# Altium PCB 2-quilter-output.PcbDoc (part 1 of 26) (continued)
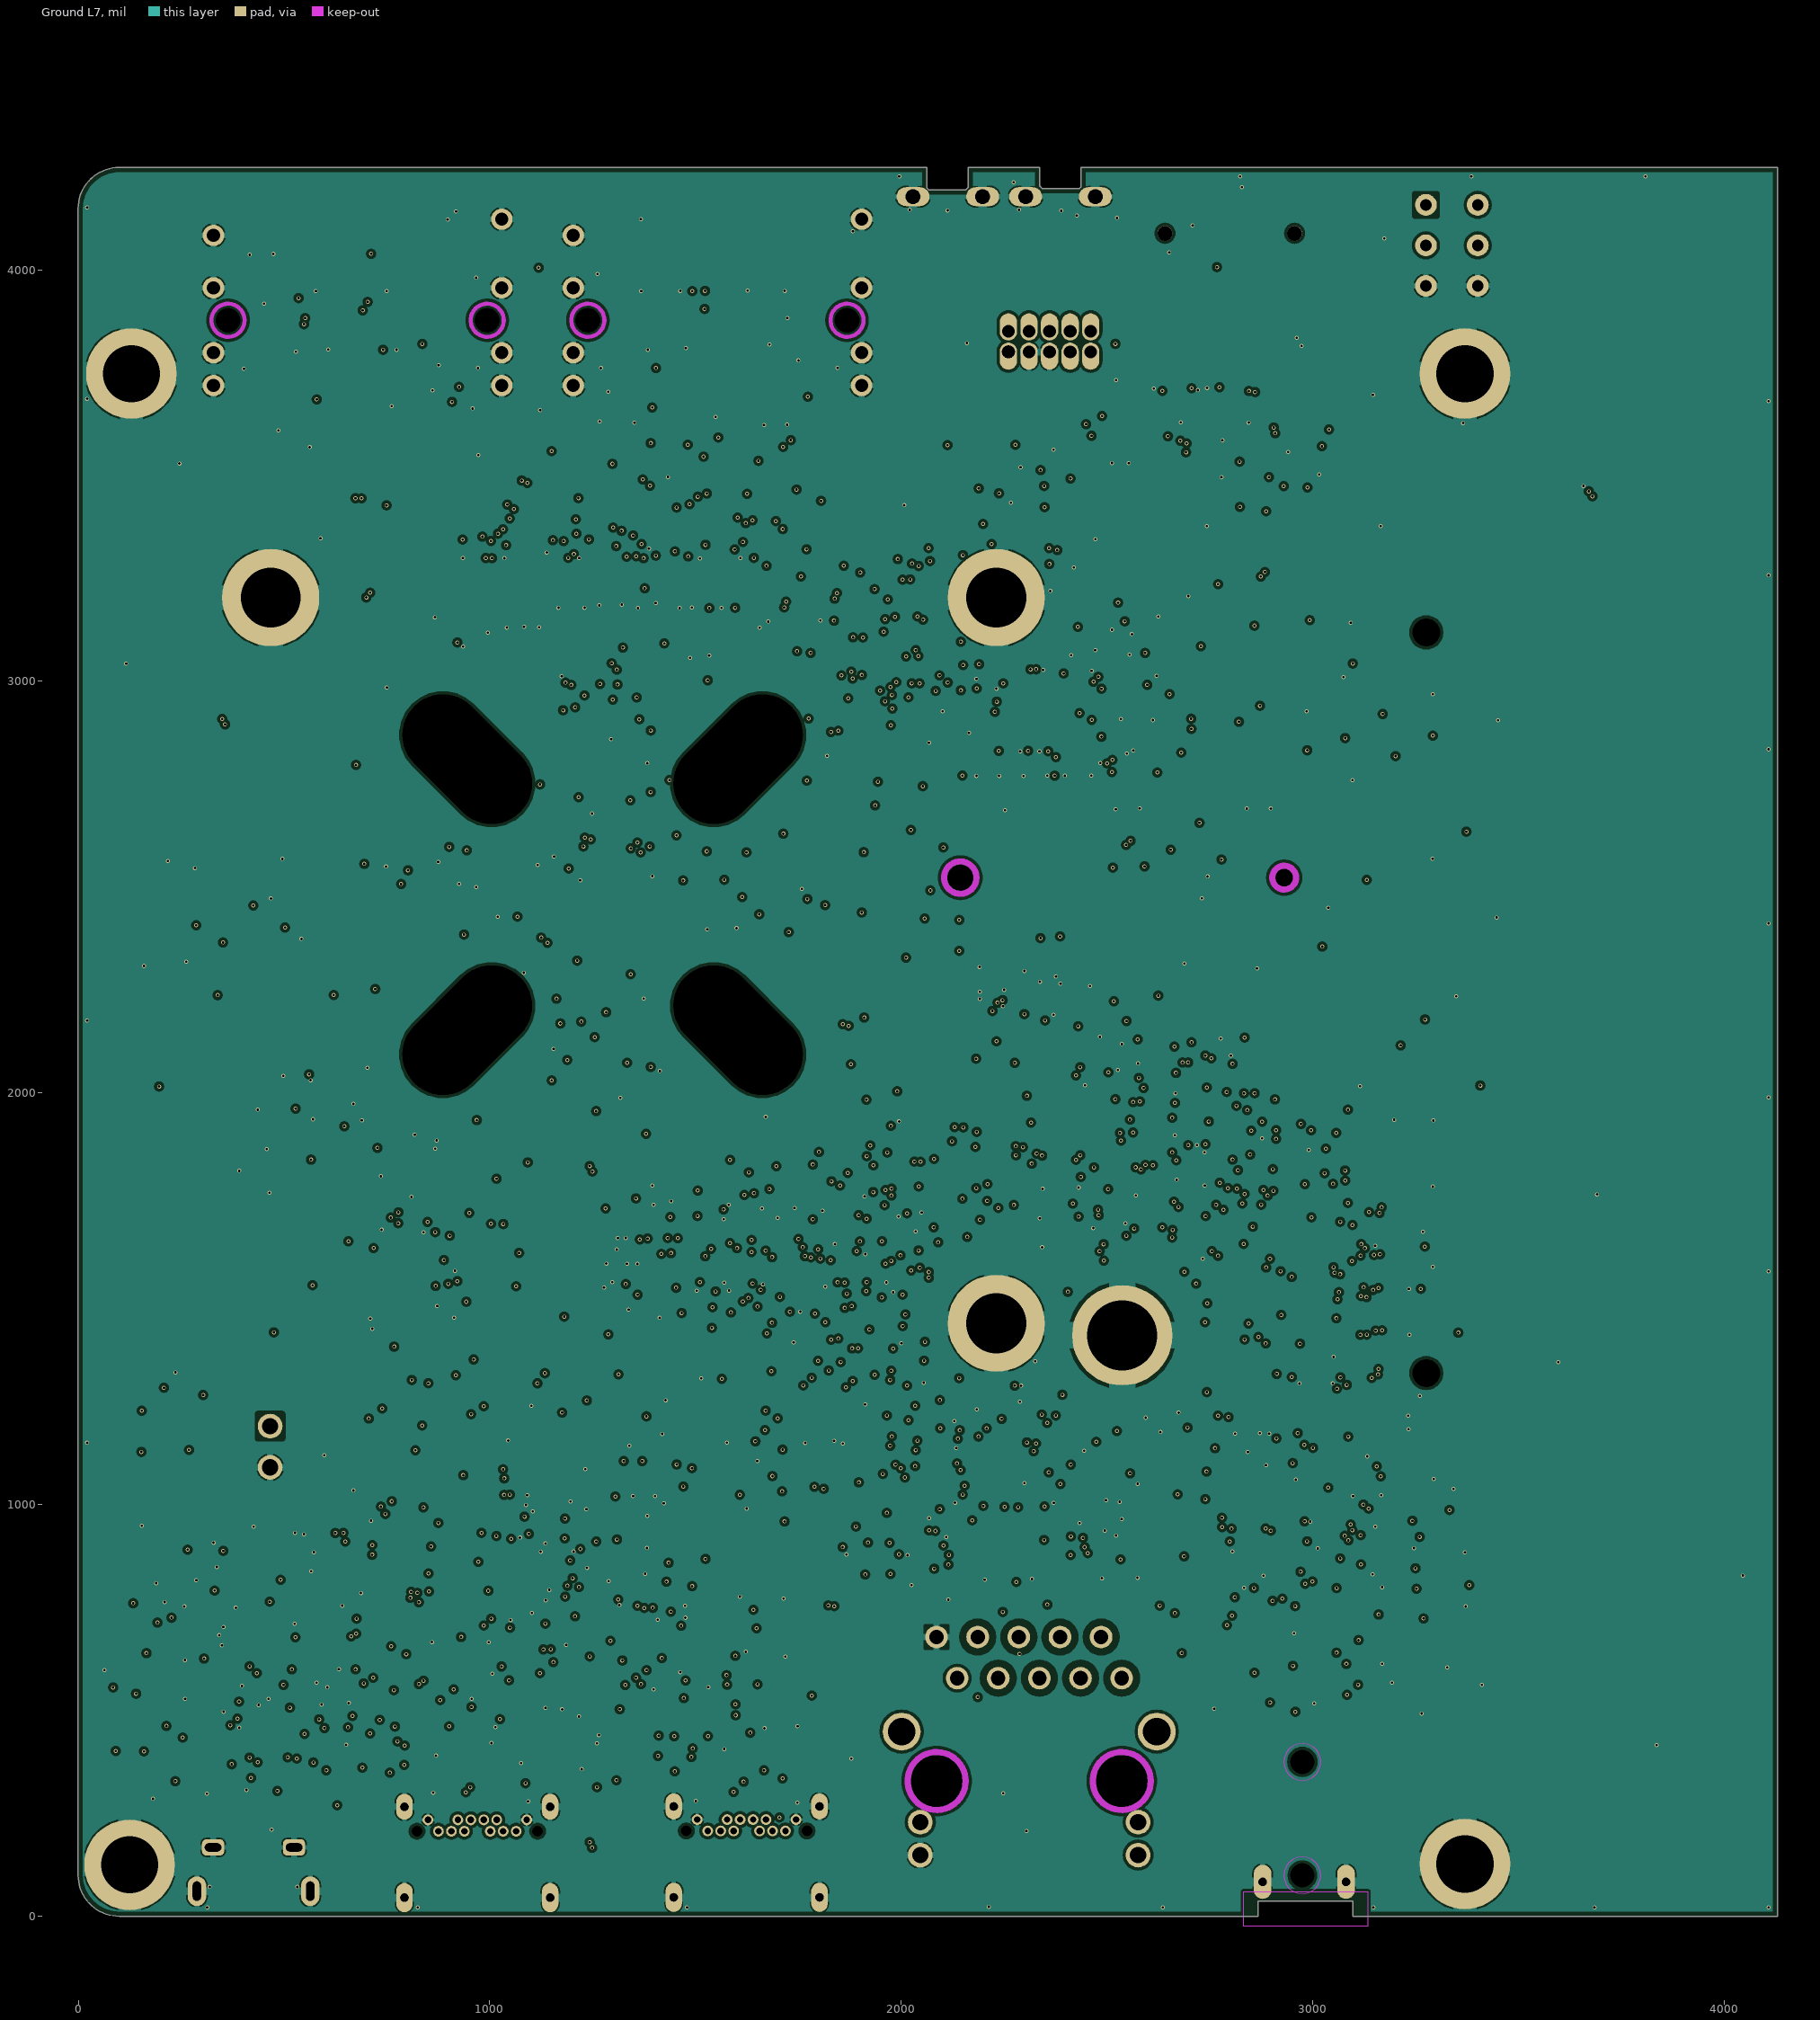
[diagram p7: Ground L7]

## Layer stack, top to bottom
Top Solder: solder mask 1, SM-001, Dk 3.8
L1: signal copper 1.378
Prepreg 1: core 4.58, FR4, Dk 4.16
Ground L2: signal copper 0.6
Core 1: core 11.811, FR4, Dk 4.1
L3: signal copper 0.6
Prepreg 2: core 3.01, NP-140F, Dk 4.4
Prepreg 3: core 3.01, NP-140F, Dk 4.4
Power L4: signal copper 0.598
Core 2: core 11.811, FR4-Generic, Dk 4.6
Ground L5: signal copper 0.598
Prepreg 4: core 3.01, NP-140F, Dk 4.4
Prepreg 5: core 3.01, NP-140F, Dk 4.4
L6: signal copper 0.6
Core 3: core 11.811, FR4, Dk 4.1
Ground L7: signal copper 0.6
Prepreg 6: core 4.58, FR4, Dk 4.16
L8: signal copper 1.378
Board Layer Stack Bottom Solder: solder mask 1, SM-001, Dk 3.8

## Board outline
-0.37,98.79 -0.37,4148.79 cw(c99.63,4148.79) 99.63,4248.79 2062.63,4248.79 2062.63,4198.79 2065.63,4195.79 2067.63,4193.79 2156.63,4193.79 2163.63,4200.79 2163.63,4248.79 2336.63,4248.79 2336.63,4203.79 2342.63,4197.79 2433.63,4197.79 2437.63,4201.79 2437.63,4248.79 4130.18,4248.79 4130.18,-1.21 3097.78,-1.21 3097.78,35.94 2910.29,35.94 2910.09,36.13 2909.9,35.94 2867.21,35.94 2867.21,-1.21 99.63,-1.21 cw(c99.63,98.79)

## Design rules (kind name [scope] priority, off if disabled: settings)
BoardOutlineClearance [All] p1: gap=11.81 ignorepadtopadclearanceinfootprint=FALSE
Clearance [All] p1: gap=3.5 ignorepadtopadclearanceinfootprint=FALSE except(3: Arc-Arc Arc-Track Arc-SMDPad Arc-Text Track-Track Track-SMDPad Track-Text SMDPad-SMDPad SMDPad-Text Via-Via Via-Text Fill-Text Poly-Text Region-Text Text-Text Text-Hole; 10: THPad-THPad THPad-Via THPad-Fill THPad-Poly THPad-Region THPad-Text)
ComponentClearance [All] p1: gap=3.5 collisioncheckmode=3 verticalgap=10 showdistances=FALSE
DiffPairsRouting [All] p1: maxlimit=10 minlimit=10 mostfreqgap=10 toplayer_minwidth=15 toplayer_maxwidth=15 toplayer_prefwidth=15 midlayer1_minwidth=15 midlayer1_maxwidth=15 midlayer1_prefwidth=15 midlayer2_minwidth=15 midlayer2_maxwidth=15 midlayer2_prefwidth=15 midlayer3_minwidth=15 midlayer3_maxwidth=15 midlayer3_prefwidth=15 midlayer4_minwidth=15 midlayer4_maxwidth=15 midlayer4_prefwidth=15 midlayer5_minwidth=15 midlayer5_maxwidth=15 midlayer5_prefwidth=15 midlayer6_minwidth=15 midlayer6_maxwidth=15 midlayer6_prefwidth=15 bottomlayer_minwidth=15 bottomlayer_maxwidth=15 bottomlayer_prefwidth=15 maxuncoupledlength=500
HoleSize [All] p1: absolutevalues=TRUE maxlimit=100 minlimit=5.91 maxpercent=80.000 minpercent=20.000
MinimumAnnularRing [All] p1: minimumring=1.97
PlaneConnect [All] p1: pad.planeconnectstyle=Relief pad.reliefexpansion=20 pad.reliefentries=4 pad.reliefconductorwidth=10 pad.reliefairgap=10 via.planeconnectstyle=Direct via.reliefexpansion=20 via.reliefentries=4 via.reliefconductorwidth=10 via.reliefairgap=10
PolygonConnect [All] p1: thpad.connectstyle=Relief thpad.reliefconductorwidth=3.5 thpad.reliefentries=4 thpad.polygonreliefangle="45 Angle" thpad.airgapwidth=3.5 thpad.conductorbypadedge=TRUE thpad.mindistance=15 thpad.enablemindistance=TRUE smdpad.connectstyle=Direct smdpad.reliefconductorwidth=3.5 smdpad.reliefentries=4 smdpad.polygonreliefangle="90 Angle" smdpad.airgapwidth=3.5 via.connectstyle=Direct via.reliefconductorwidth=3.5 via.reliefentries=4 via.polygonreliefangle="90 Angle" via.airgapwidth=3.5
RoomDefinition "C-08 USB TYPE-C DRP" [InComponentClass('C-08 USB TYPE-C DRP')] p1: confinementstyle=ConfineIn formatcopy=TRUE lockcomponents=FALSE outline 580,207.36 580,353.53 698.84,353.53 698.84,583.56 700,584.97 900,584.97 910,597.15 910,1011.3 650,1011.3 650,1328 1390,1328 1390,1084.38 1650,1084.38 1750,962.57 1750,767.68 1950,767.68 1950,183
RoomDefinition TPs [InComponentClass('TPs')] p2: confinementstyle=ConfineIn formatcopy=TRUE lockcomponents=FALSE outline 0,3323 2210,3323 2234,3299 2234,2431 2229,2426 3255,2426 3264,2435 3264,2221 3287,2198 2299,2198 2295,2202 2295,1338 2309,1324 10,1324 0,1334
RoomDefinition "C-07 CPU IO INTERFACE 2" [InComponentClass('C-07 CPU IO INTERFACE 2')] p3: confinementstyle=ConfineIn formatcopy=TRUE lockcomponents=FALSE outline 0,0 2000,0 2000,1000 0,1000
RoomDefinition "C-11 PCIe Bot" [InComponentClass('C-11 PCIe Bot')] p4: confinementstyle=ConfineIn formatcopy=TRUE lockcomponents=FALSE outline 3100,2203 3100,3446 2456.67,3446 2446.77,3435.38 2336.63,3228.53 2100.36,3120.31 2100.36,2755.44 1942,2755.44 1942,2213.62
RoomDefinition "X-17 Mech_TP" [InComponentClass('X-17 Mech_TP')] p5: confinementstyle=ConfineIn formatcopy=TRUE lockcomponents=FALSE outline 0,0 373,0 373,268 0,268
RoomDefinition "C-10 Ethernet 1Gbps" [InComponentClass('C-10 Ethernet 1Gbps')] p6: confinementstyle=ConfineIn formatcopy=TRUE lockcomponents=FALSE outline 2582,0 2582,1288 2569,1301 1645,1301 1645,1046 1851,1046 1851,2 1849,0
RoomDefinition "C-14 Debug" [InComponentClass('C-14 Debug')] p7: confinementstyle=ConfineIn formatcopy=TRUE lockcomponents=FALSE outline 0,137.24 0,921.92 384.35,921.92 384.35,1091.09 393.91,1103 978.09,1103 980,589.56 975.22,583.6 693,583.6 692.21,327.47 552.62,327.47 552.62,127.34 545.93,119 133.8,119 119.16,137.24
RoomDefinition "C-07 CPU IO INTERFACE" [InComponentClass('C-07 CPU IO INTERFACE')] p8: confinementstyle=ConfineIn formatcopy=TRUE lockcomponents=FALSE outline 780,3363 2332,3363 2332,1508 780,1508
RoomDefinition "C-06 Power 2" [InComponentClass('C-06 Power 2')] p9: confinementstyle=ConfineIn formatcopy=TRUE lockcomponents=FALSE outline 400,1260 540,1260 540,1020 400,1020
RoomDefinition "C-13 MIPI-DSI_CSI" [InComponentClass('C-13 MIPI-DSI_CSI')] p10: confinementstyle=ConfineIn formatcopy=TRUE lockcomponents=FALSE outline 310,3380 1916.43,3380 1916.43,4260 310,4260
RoomDefinition "C-06 Power" [InComponentClass('C-06 Power')] p11: confinementstyle=ConfineIn formatcopy=TRUE lockcomponents=FALSE outline 3230,4210 3442.19,4210 3442.19,3920 3230,3920
RoomDefinition "X-16 BOOT CFG Bot" [InComponentClass('X-16 BOOT CFG Bot')] p12: confinementstyle=ConfineIn formatcopy=TRUE lockcomponents=FALSE outline 2980,2168.79 2330,2168.79 2330,1550 2980,1550
RoomDefinition "C-15 Expansion CN Bot 3" [InComponentClass('C-15 Expansion CN Bot 3')] p13: confinementstyle=ConfineIn formatcopy=TRUE lockcomponents=FALSE outline 140,1370 280,1370 280,1220 140,1220
RoomDefinition "C-15 Expansion CN Bot 2" [InComponentClass('C-15 Expansion CN Bot 2')] p14: confinementstyle=ConfineIn formatcopy=TRUE lockcomponents=FALSE outline 3179.19,3220 3040,3220 3040,2900 3179.19,2900
RoomDefinition "C-14 Debug Bot 2" [InComponentClass('C-14 Debug Bot 2')] p15: confinementstyle=ConfineIn formatcopy=TRUE lockcomponents=FALSE outline 2548,3831 2086,3831 2086,4117 2548,4117
RoomDefinition "C-12 MicroSD_Infrared_LED_BTN Bot" [InComponentClass('C-12 MicroSD_Infrared_LED_BTN Bot')] p16: confinementstyle=ConfineIn formatcopy=TRUE lockcomponents=FALSE outline 3156,3636 2268,3636 2268,3450 3156,3450
RoomDefinition "C-10 Ethernet 1Gbps Bot 1" [InComponentClass('C-10 Ethernet 1Gbps Bot 1')] p17: confinementstyle=ConfineIn formatcopy=TRUE lockcomponents=FALSE outline 2526,726.69 2526,1208.59 2416.56,1335.63 2117.66,1335.63 2113.42,1340.56 2113.42,2021.88 2111.48,2024.13 1819.97,2024.13 1813.19,2032 1813.19,1763.29 1451.94,1763.29 1451.94,1373.16 1450,1370.92 1747.33,1370.92 1755.08,1361.92 1755.08,737.94 1856.77,737.94 1864.52,746.93 1864.52,448.99 1856.77,440 1953.62,440 1953.62,728.94
RoomDefinition "C-10 Ethernet 1Gbps Bot 2" [InComponentClass('C-10 Ethernet 1Gbps Bot 2')] p18: confinementstyle=ConfineIn formatcopy=TRUE lockcomponents=FALSE outline 2453,0 2166,0 2166,428 2453,428
RoomDefinition "C-08 USB TYPE-C DRP Bot 2" [InComponentClass('C-08 USB TYPE-C DRP Bot 2')] p19: confinementstyle=ConfineIn formatcopy=TRUE lockcomponents=FALSE outline 1074,1992 0,1992 0,1328 1074,1328
RoomDefinition "C-08 USB TYPE-C DRP Bot 1" [InComponentClass('C-08 USB TYPE-C DRP Bot 1')] p20: confinementstyle=ConfineIn formatcopy=TRUE lockcomponents=FALSE outline 1939,0 581,0 581,1344 1939,1344
RoomDefinition "C-07 CPU IO INTERFACE Bot 5" [InComponentClass('C-07 CPU IO INTERFACE Bot 5')] p21 off: confinementstyle=ConfineIn formatcopy=TRUE lockcomponents=FALSE outline 2543,1603 3058,1603 3058,107 2543,107
RoomDefinition "C-07 CPU IO INTERFACE Bot 4" [InComponentClass('C-07 CPU IO INTERFACE Bot 4')] p22 off: confinementstyle=ConfineIn formatcopy=TRUE lockcomponents=FALSE outline 1202.72,1834 1581.72,1834 1581.72,1410 1202.72,1410
RoomDefinition "C-07 CPU IO INTERFACE Bot 3" [InComponentClass('C-07 CPU IO INTERFACE Bot 3')] p23 off: confinementstyle=ConfineIn formatcopy=TRUE lockcomponents=FALSE outline 2061.87,3604 2531,3604 2531,3339 2061.87,3339
RoomDefinition "C-07 CPU IO INTERFACE Bot 2" [InComponentClass('C-07 CPU IO INTERFACE Bot 2')] p24 off: confinementstyle=ConfineIn formatcopy=TRUE lockcomponents=FALSE outline 1701,3378 2090,3378 2090,2780 1701,2780
RoomDefinition "C-07 CPU IO INTERFACE Bot 1" [InComponentClass('C-07 CPU IO INTERFACE Bot 1')] p25 off: confinementstyle=ConfineIn formatcopy=TRUE lockcomponents=FALSE outline 1331,3107.84 1696.28,3107.84 1696.28,2981.84 1331,2981.84
RoomDefinition "C-06 Power Bot" [InComponentClass('C-06 Power Bot')] p26 off: confinementstyle=ConfineIn formatcopy=TRUE lockcomponents=FALSE outline 0,3220 810,3220 810,2645 1105,2645 1120,2660 1120,2935 1135,2950 1440,2950 1440,2660 1790,2660 1795,2655 1795,2290 1800,2285 1455,2285 1450,2290 1450,2020 1105,2020 1105,2325 1100,2320 795,2320 795,1855 0,1855 0,1985
RoomDefinition "C-11 PCIe" [InComponentClass('C-11 PCIe')] p27 off: confinementstyle=ConfineIn formatcopy=TRUE lockcomponents=FALSE outline 2254,2452 2784,2452 2784,3373 2254,3373
RoomDefinition "C-12 MicroSD_Infrared_LED_BTN" [InComponentClass('C-12 MicroSD_Infrared_LED_BTN')] p28 off: confinementstyle=ConfineIn formatcopy=TRUE lockcomponents=FALSE outline 2610,3598 2998,3598 2998,4247 2610,4247
RoomDefinition "C-13 MIPI-DSI_CSI Bot" [InComponentClass('C-13 MIPI-DSI_CSI Bot')] p29 off: confinementstyle=ConfineIn formatcopy=TRUE lockcomponents=FALSE outline 394,4078 1847,4078 1847,3449 394,3449
RoomDefinition "C-15 Expansion CN Bot" [InComponentClass('C-15 Expansion CN Bot')] p30 off: confinementstyle=ConfineIn formatcopy=TRUE lockcomponents=FALSE outline 2847,2206.86 3438.48,2206.86 3438.48,470 2847,470
RoomDefinition "C-14 Debug Bot" [InComponentClass('C-14 Debug Bot')] p31 off: confinementstyle=ConfineIn formatcopy=TRUE lockcomponents=FALSE outline 0,260 658,260 658,1024 0,1024
RoomDefinition "X-16 BOOT CFG" [InComponentClass('X-16 BOOT CFG')] p32 off: confinementstyle=ConfineIn formatcopy=TRUE lockcomponents=FALSE outline 2340,1570 2980,1570 2980,2170 2340,2170
RoomDefinition "C-15 Expansion CN" [InComponentClass('C-15 Expansion CN')] p33 off: confinementstyle=ConfineIn formatcopy=TRUE lockcomponents=FALSE outline 3150,470 3439,470 3439,772 3150,772
RoomDefinition "C-09 Audio DAC" [InComponentClass('C-09 Audio DAC')] p34 off: confinementstyle=ConfineIn formatcopy=TRUE lockcomponents=FALSE outline 2660,0 3496,0 3496,1293 2660,1293
RoutingVias [All] p1: holewidth=5.91 width=9.84 viastyle="Through Hole" minholewidth=5.91 minwidth=9.84 maxholewidth=28 maxwidth=50
SolderMaskExpansion [All] p1: expansion=0 istentingtop=FALSE
SupplyNets "Schematic Supply Nets_24" [InNet('NVCC_ENET')] p1: voltage=0.000
SupplyNets "Schematic Supply Nets_23" [InNet('ENET_DVDDL_1V1')] p2: voltage=0.000
SupplyNets "Schematic Supply Nets_22" [InNet('VSD_3V3')] p3: voltage=0.000
SupplyNets "Schematic Supply Nets_21" [InNet('VLDO2_3V3')] p4: voltage=0.000
SupplyNets "Schematic Supply Nets_20" [InNet('VBUS_IN')] p5: voltage=0.000
SupplyNets "Schematic Supply Nets_19" [InNet('GND')] p6: voltage=0.000
SupplyNets "Schematic Supply Nets_18" [InNet('ENET_VDDIO')] p7: voltage=0.000
SupplyNets "Schematic Supply Nets_17" [InNet('SYS_5V')] p8: voltage=0.000
SupplyNets "Schematic Supply Nets_16" [InNet('VPCIe_3V3')] p9: voltage=0.000
SupplyNets "Schematic Supply Nets_15" [InNet('USB2_OTG_VBUS_F')] p10: voltage=0.000
SupplyNets "Schematic Supply Nets_14" [InNet('VDD_5V')] p11: voltage=0.000
SupplyNets "Schematic Supply Nets_13" [InNet('VDDEXT_3V3')] p12: voltage=0.000
SupplyNets "Schematic Supply Nets_12" [InNet('VDD_3V3')] p13: voltage=0.000
SupplyNets "Schematic Supply Nets_11" [InNet('VEXT_3V3')] p14: voltage=0.000
SupplyNets "Schematic Supply Nets_10" [InNet('VDD_1V8')] p15: voltage=0.000
SupplyNets "Schematic Supply Nets_9" [InNet('ENET_VDDH_2V5')] p16: voltage=0.000
SupplyNets "Schematic Supply Nets_8" [InNet('USB1_OTG_VBUS_F')] p17: voltage=0.000
SupplyNets "Schematic Supply Nets_7" [InNet('USB2_OTG_VBUS')] p18: voltage=0.000
SupplyNets "Schematic Supply Nets_6" [InNet('VCC_3V3_FT')] p19: voltage=0.000
SupplyNets "Schematic Supply Nets_5" [InNet('VLDO_3V3')] p20: voltage=0.000
SupplyNets "Schematic Supply Nets_4" [InNet('VLDO1_3V3')] p21: voltage=0.000
SupplyNets "Schematic Supply Nets_3" [InNet('VBUS_USB_DBG')] p22: voltage=0.000
SupplyNets "Schematic Supply Nets_2" [InNet('USB1_OTG_VBUS')] p23: voltage=0.000
SupplyNets "Schematic Supply Nets_1" [InNet('VBUS_EXT')] p24: voltage=0.000
SupplyNets "Schematic Supply Nets" [InNet('GND_CHASSIS')] p25: voltage=0.000
Width [All] p1: maxlimit=100 minlimit=3.5 preferedwidth=3.5 impedanceprofiledriven=TRUE minimp=60.000000 maximp=60.000000 favimp=60.000000
26 further rules are at their usual default settings.

## Classes and differential pairs
component class TPs: TP1201 TP1202 TP1203
differential pair class USB_DEBUG: FT_USB USB_DBG
net class VPCIe_3V3: VPCIe_3V3
net class VLDO_3V3: VLDO_3V3
net class VDDEXT_3V3: VDDEXT_3V3
net class VDD_5V: VDD_5V
net class VDD_3V3: VDD_3V3
net class VDD_3V3_U601: VDD_3V3_U601
net class VDD_1V8: VDD_1V8
net class VDD_1V8_U601: VDD_1V8_U601_2
net class VDD_1V8_U601_2: VDD_1V8_U601_2
net class VBUS_EXT: VBUS_EXT
net class USB2_OTG_VBUS_F: USB2_OTG_VBUS_F
net class USB2_OTG_VBUS: USB2_OTG_VBUS
net class USB2_VBUS_IN: USB2_VBUS_IN
net class USB1_OTG_VBUS_F: USB1_OTG_VBUS_F
net class USB1_OTG_VBUS: USB1_OTG_VBUS
net class USB1_VBUS_IN: USB1_VBUS_IN
net class ENET_LX_OUT: ENET_LX
net class ENET_DVDDL_1V1: ENET_DVDDL_1V1
net class ENET_AVDDL_1V1: ENET_AVDDL_1V1
net class ENET_AVDD33: ENET_AVDD33
net class DCDC_5V: NetC106_1 SYS_5V
net class VBUS_IN: VBUS_IN
component class "C-07 CPU IO INTERFACE 2": C207 R211
component class "C-13 MIPI-DSI_CSI": J801 J802
component class "C-06 Power 2": J101
component class "C-15 Expansion CN Bot 3": C1003
component class "C-15 Expansion CN Bot 2": D1001 D1002
component class "C-14 Debug Bot 2": D907 D908 R919
component class "C-10 Ethernet 1Gbps Bot 2": C517 R514
component class "C-08 USB TYPE-C DRP Bot 2": C305 C321 C322 C325 C326 C327 C329 C330 C331 C333 C334 D313 R311 R312 R323 R325 R330 R331 R354 U305
component class "C-07 CPU IO INTERFACE Bot 5": C201 C202 C203 C204 C205 C206 C208 R209 R212 R213 R215 U201 U202
component class "C-07 CPU IO INTERFACE Bot 4": C209 C210 C211 C212 C213 C214 C217 C218 R217 R219
component class "C-07 CPU IO INTERFACE Bot 3": C221 R210 R218 U204
component class "C-07 CPU IO INTERFACE Bot 2": C219 C220 R201 R202 R203 R204 R205 R206 R207 R208 R214 U203
component class "C-07 CPU IO INTERFACE Bot 1": C215 C216 R216
component class "X-16 BOOT CFG Bot": R1101 R1102 R1103 R1104 R1105 R1106 R1107 R1108 R1109 R1110 R1111 R1112 R1113 R1114 R1115 R1116 R1117 R1118 R1119 R1120 R1121 R1122 R1123 R1124 R1125 R1126 R1127 R1128 R1129 R1130 R1131 R1132 R1133 R1134 R1135 R1136 R1137 R1138 R1139 R1140
component class "C-06 Power Bot": C101 C102 C103 C105 C106 C107 C108 C109 C113 C114 C116 C117 C118 C119 C120 C121 C122 C138 C141 C142 C145 C157 C159 C160 C161 D101 L101 L102 Q101 Q102 Q903 R101 R102 R103 R105 R107 R108 R109 R110 R111 R112 R113 R114 R115 R120 R125 R129 R131 R133 R134 R135 R136 R137 R138 R139 R140 U101 U102
component class "C-06 Power": SW101
component class "C-08 USB TYPE-C DRP Bot 1": C301 C302 C304 C308 C309 C311 C313 C314 C315 C316 C317 C337 C338 C342 D308 D309 R305 R308 R315 R316 R328 R329 R336 R337 R338 R339 R353 TVS307 U302 U307 U308 U309 U310
component class "C-10 Ethernet 1Gbps Bot 1": C514 C515 C516 C518 C519 C520 C521 C522 C525 C526 C527 L501 L503 R503 R506 R508 R509 R511 R512 R515 R516 R517 R518 R519 R520 R521 R522 R523 R524 R525 R530 R531 R532 R533 R534 R535 R539 R540 R541 R542 R543 R544 U501 U502 U503 U504 U505 U506 U507 U508 Y501
component class "C-11 PCIe Bot": C603 C604 C605 C606 C608 C609 C611 C613 C614 C615 C616 C617 C618 C620 C621 C622 C623 C624 C625 D601 D602 D603 J601 L601 L602 Q604 R601 R602 R603 R604 R610 R611 R612 R613 R614 R615 R616 R617 R618 R619 R620 R621 R622 R623 R624 R625 R626 R627 U601 Y601
component class "C-12 MicroSD_Infrared_LED_BTN Bot": C702 C704 C708 J701 R702 R704 R705 R707 R708 R709 R713 TVS701 TVS702 U702
component class "C-13 MIPI-DSI_CSI Bot": C801 C802 C803 C804 C805 C806 C807 C811 C812 C813 C814 C815 R801 R802 R803 R804 R805 R806 R807 R808 R809 R810 R811 R812
component class "C-15 Expansion CN Bot": C1001 C1002 C1004 J1001 Q1001 Q1002 R1001 R1003 R1004 R1005 R1006 R1009 R1010 R1011 R1012 R1013 R1014 R1015 R1016 R1017 R1018 R1019 R1020 R1021 R1022 R1023 R1024 R1025 R1026 R1027 R1028 R1029 R1030 R1031 R1034
component class "C-14 Debug Bot": C905 C906 C910 C911 C912 C913 C914 C917 C918 R902 R903 R915 R916 R928 U903 X901
differential pair class PCIE: DIF0 DIF1 PCIE_CLK_CPU PCIE_RX PCIE_TX PCIE_TXC REF_CLK_CN
differential pair class ETHERNET: ETH_TRX0 ETH_TRX1 ETH_TRX2 ETH_TRX3
differential pair class DSI: DSI_CK DSI_D0 DSI_D1 DSI_D2 DSI_D3
differential pair class CSI: CSI_CK CSI_D0 CSI_D1 CSI_D2 CSI_D3
component class "X-17 Mech_TP": BH1201 BH1202 BH1203 BH1204 BH1206 BH1207 BH1208 BH1209
component class "X-16 BOOT CFG": SW1101 SW1102
component class "C-15 Expansion CN": J1003 J1004 Q1003 R1032 R1033
component class "C-14 Debug": C901 C902 C903 C907 C908 C909 C915 C916 C920 D902 D903 D905 D906 D909 D910 J901 J902 L901 R904 R908 R909 R910 R911 R917 R918 R920 R921 R922 R923 R924 R925 R926 R927 R929 R930 SW901 SW902 TVS901 U901 U902 U904
component class "C-12 MicroSD_Infrared_LED_BTN": C703 C706 C707 D702 D703 D704 D705 D706 D707 D708 D709 R714 U701
component class "C-11 PCIe": C607 R629 R630 R631 R632
component class "C-10 Ethernet 1Gbps": C501 C502 C503 C504 C505 C506 C507 C508 C509 C510 C511 C512 C513 C523 C524 J501 L502 R501 R502 R510 R513 R526 R527 R528 R536 R537 R538
component class "C-09 Audio DAC": C401 C402 C403 C404 C405 C406 C407 J401 L401 R401 R402 R403 R404 R405 R406 TVS401 TVS402 U401
component class "C-08 USB TYPE-C DRP": C303 C318 C319 C320 C323 C332 C335 C336 C339 C340 C341 C343 C344 D301 D303 D310 D311 D312 F301 F302 J301 J302 Q301 R301 R302 R303 R304 R306 R307 R309 R310 R313 R314 R318 R319 R320 R321 R322 R327 R332 R333 R334 R335 R340 R341 R342 R343 R344 R345 R346 R349 R350 R355 R356 R357 R358 R359 R360 R361 TVS303 TVS304 TVS308 U301 U303 U304 U306 U311 U312
component class "C-07 CPU IO INTERFACE": J201 J202 J203
differential pair USB2_CN: +USB2_CN_DP -USB2_CN_DN
differential pair USB1_CN: +USB1_CN_DP -USB1_CN_DN
differential pair REF_CLK_CN: +REF_CLK_CN_P -REF_CLK_CN_N
differential pair PCIE_TXC: +PCIE_TXC_P -PCIE_TXC_N
differential pair PCIE_TX: +PCIE_TX_P -PCIE_TX_N
differential pair PCIE_RX: +PCIE_RX_P -PCIE_RX_N
differential pair PCIE_CLK_CPU: +PCIE_CLK_CPU_P -PCIE_CLK_CPU_N
differential pair FT_USB: +FT_USB_DP -FT_USB_DN
differential pair DSI_D3: +DSI_D3_P -DSI_D3_N
differential pair DSI_D2: +DSI_D2_P -DSI_D2_N
differential pair DSI_D1: +DSI_D1_P -DSI_D1_N
differential pair DSI_D0: +DSI_D0_P -DSI_D0_N
differential pair DSI_CK: +DSI_CK_P -DSI_CK_N
differential pair DIF1: +DIF1_P -DIF1_N
differential pair DIF0: +DIF0_P -DIF0_N
differential pair CSI_D3: +CSI_D3_P -CSI_D3_N
differential pair CSI_D2: +CSI_D2_P -CSI_D2_N
differential pair CSI_D1: +CSI_D1_P -CSI_D1_N
differential pair CSI_D0: +CSI_D0_P -CSI_D0_N
differential pair CSI_CK: +CSI_CK_P -CSI_CK_N
differential pair USB2_D: +USB2_DP -USB2_DN
differential pair USB1_D: +USB1_DP -USB1_DN
differential pair DIFFPAIR0: +USB_DBG_DP -USB_DBG_DN
differential pair ETH_TRX3: +ETH_TRX3_P -ETH_TRX3_N
differential pair ETH_TRX2: +ETH_TRX2_P -ETH_TRX2_N
differential pair ETH_TRX1: +ETH_TRX1_P -ETH_TRX1_N
differential pair ETH_TRX0: +ETH_TRX0_P -ETH_TRX0_N
